# Altium PCB AI Gateway - Carrier.PcbDoc (part 1 of 3) (continued)
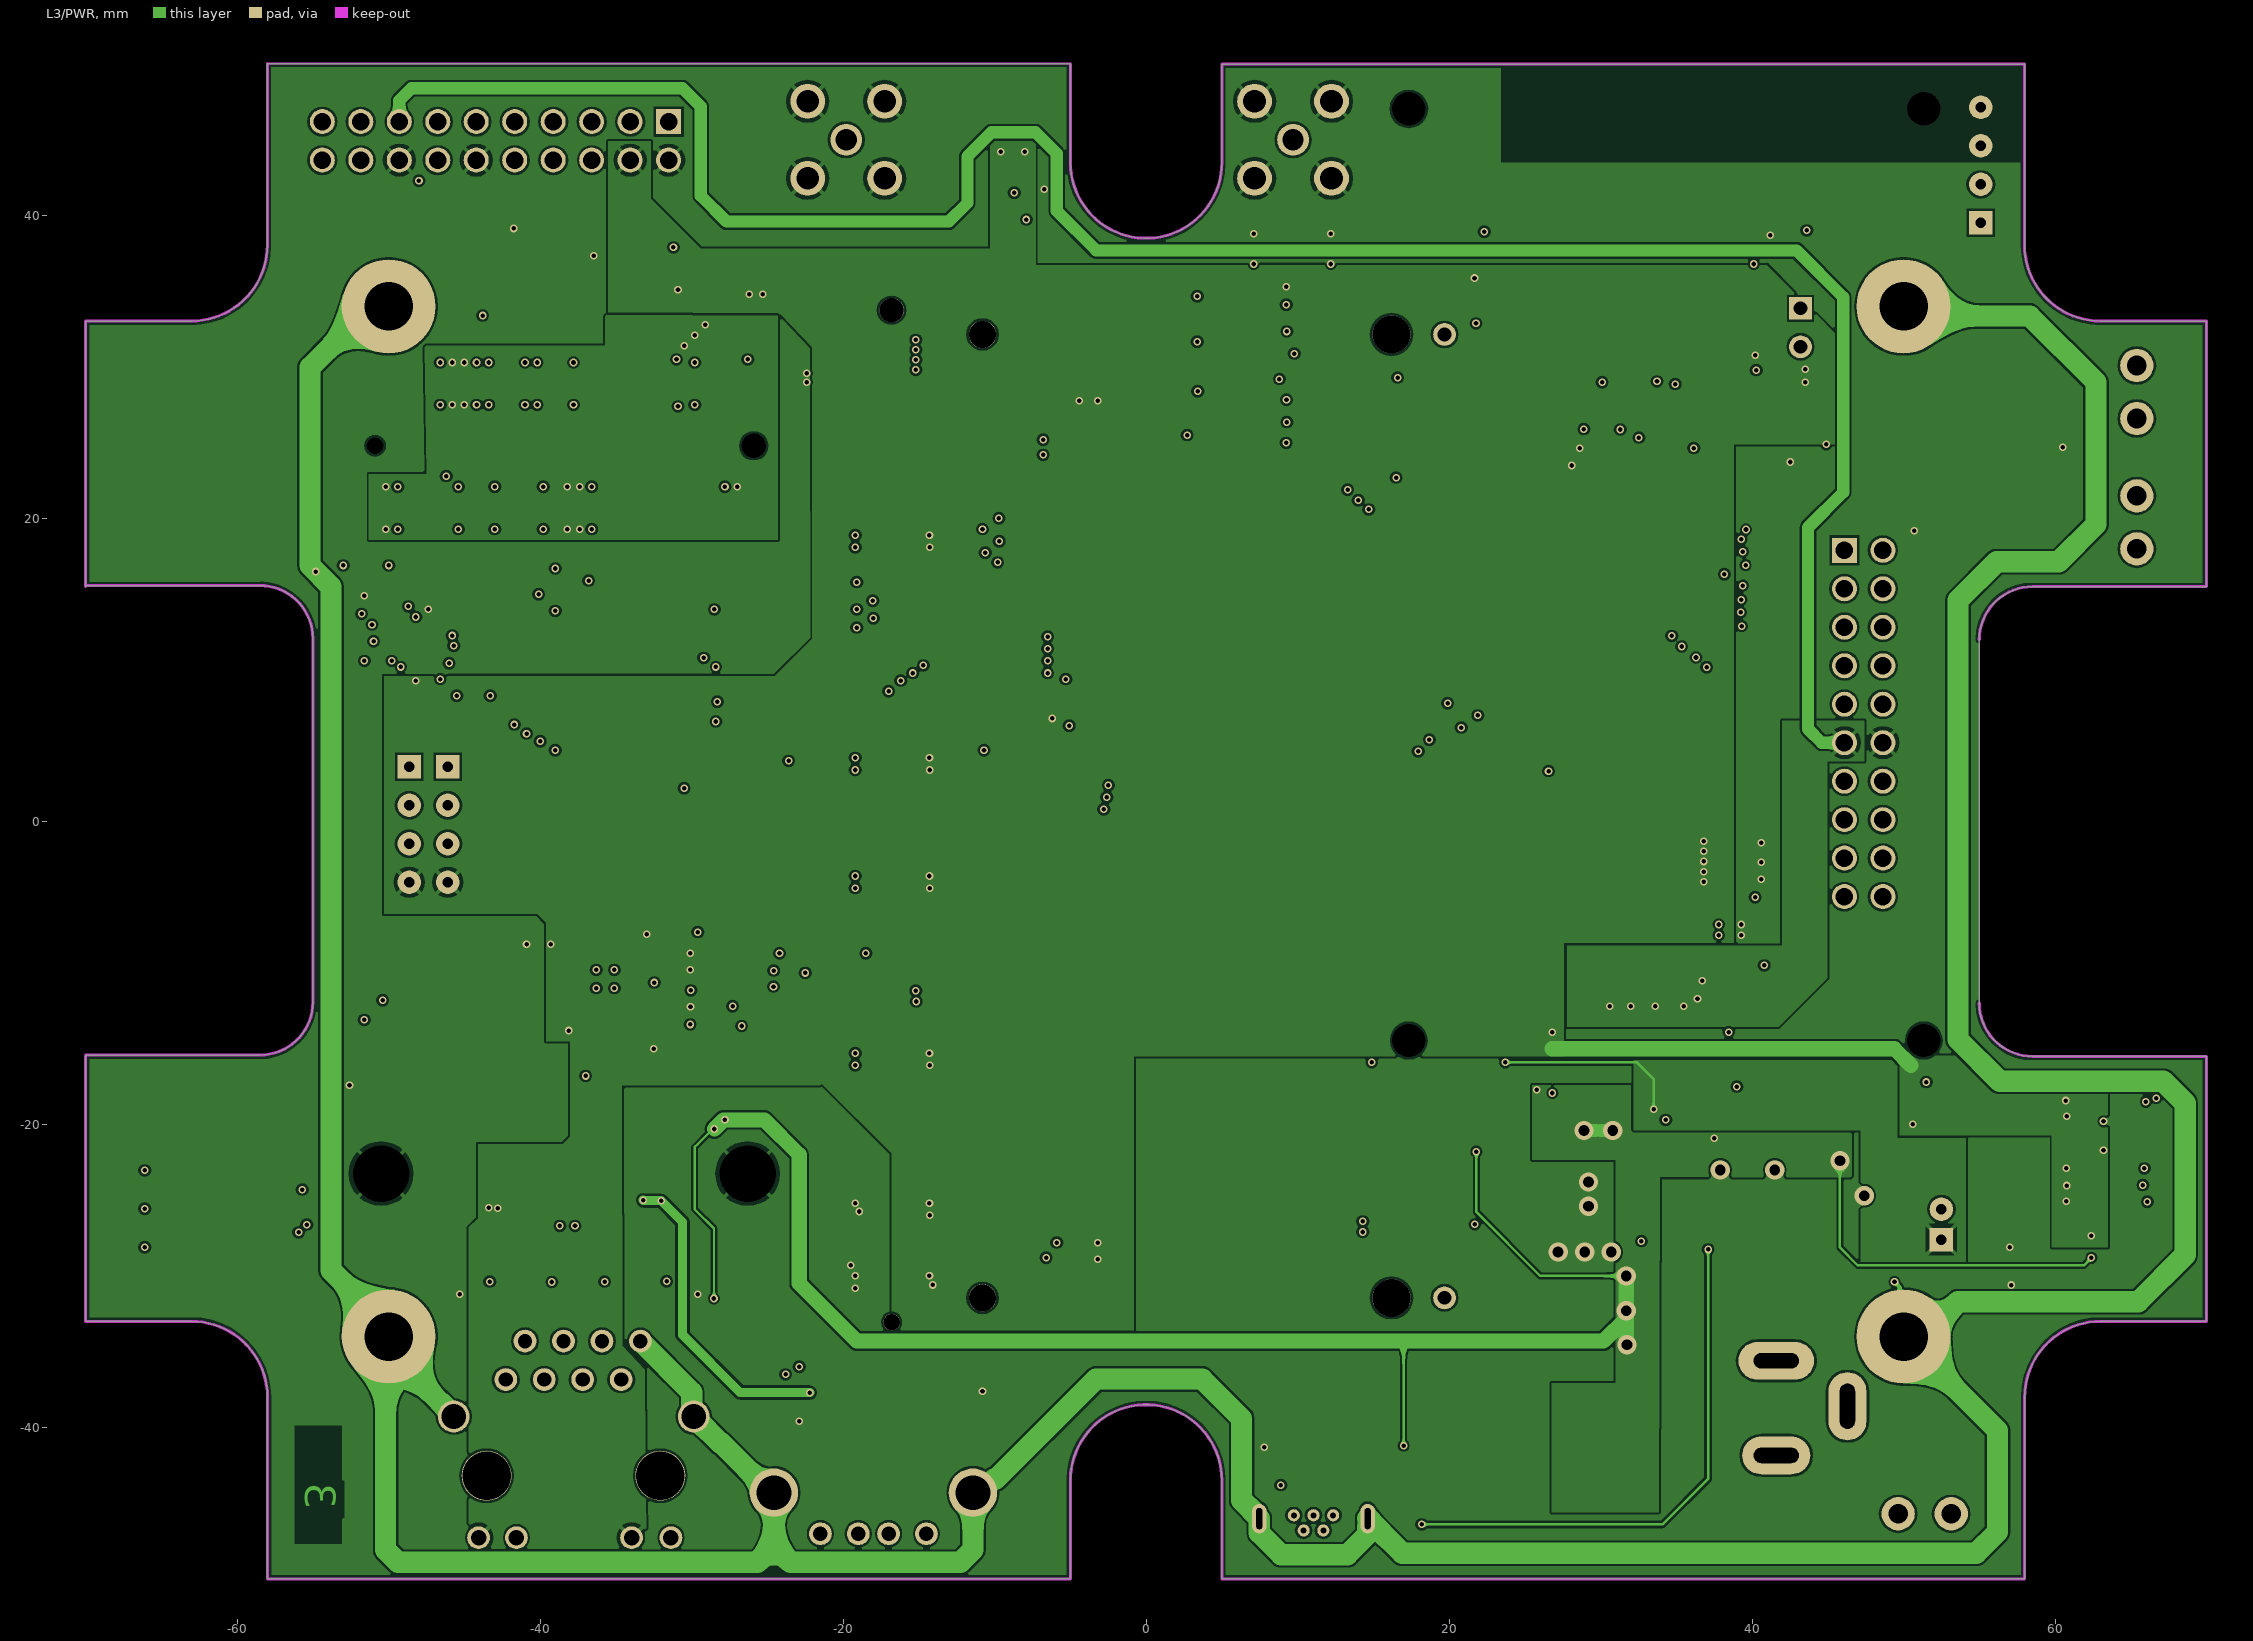
[diagram p3: L3/PWR]

## Layer stack, top to bottom
Top Solder: solder mask 0.025, Solder Resist, Dk 3.5
L1: signal copper 0.035
Dielectric 1-2: prepreg 0.14, FR4, Dk 4.2
L2/GND: plane copper 0.035, net GND
CORE: dielectric 1.13, FR-4, Dk 4.2
L3/PWR: signal copper 0.035
Dielectric 3-4: prepreg 0.14, FR4, Dk 4.2
L4: signal copper 0.035
Bottom Solder: solder mask 0.025, Solder Resist, Dk 3.5

## Board outline
-70,-33 -63,-33 cw(c-63,-38) -58,-38 -58,-50 -5,-50 -5,-43.5 cw(c0,-43.5) 5,-43.5 5,-50 58,-50 58,-38 cw(c63,-38) 63,-33 70,-33 70,-15.5 58.5,-15.5 cw(c58.5,-12) 55,-12 55,12 cw(c58.5,12) 58.5,15.5 70,15.5 69.987,15.513 69.987,33.036 62.987,33.036 cw(c62.987,38.036) 57.987,38.036 57.987,50.036 58,50 5,50 5,43.5 cw(c0,43.5) -5,43.5 -5,50 -5.036,50.036 -58.013,50.036 -58.013,38.036 cw(c-63.013,38.036) -63.013,33.036 -70.013,33.036 -70,33.023 -70,15.5 -70.004,15.577 -58.504,15.577 cw(c-58.504,12.077) -55.004,12.077 -55.004,-11.923 cw(c-58.504,-11.923) -58.504,-15.423 -70.004,-15.423 -70,-15.5

## Design rules (kind name [scope] priority, off if disabled: settings)
Clearance [All] p1: gap=0.16 ignorepadtopadclearanceinfootprint=FALSE
ComponentClearance "SOM Clearance" [InComponent('X1')] p1: gap=0 collisioncheckmode=3 verticalgap=0 showdistances=FALSE
ComponentClearance "SIM Clearance" [InComponent('U12') vs InComponent('U9')] p2: gap=0 collisioncheckmode=3 verticalgap=0 showdistances=FALSE
ComponentClearance [All] p3: gap=0.254 collisioncheckmode=3 verticalgap=0.254 showdistances=FALSE
DiffPairsRouting [InDifferentialPairClass('All Differential Pairs')] p1: maxlimit=0.259 minlimit=0.127 mostfreqgap=0.259 toplayer_maxgap=0.254 toplayer_prefgap=0.253 toplayer_minwidth=0.206 toplayer_maxwidth=0.978 toplayer_prefwidth=0.264 bottomlayer_minwidth=0.164 bottomlayer_maxwidth=1.132 bottomlayer_prefwidth=1.132 impedanceprofiledriven=TRUE impedanceprofileid={7FEF1A3C-4AF9-40D3-8EF3-8B8C5C6ABD55} impedanceprofilevalue=90.000000 maxuncoupledlength=12.7
HoleSize [All] p1: absolutevalues=TRUE maxlimit=6 minlimit=0.3 maxpercent=80.000 minpercent=20.000
MatchedLengths MatchedLengths_InPairs [InDifferentialPairClass('All Differential Pairs')] p1: tolerance=25.4 checknetsindiffpair=TRUE checkdiffpairvsdiffpair=FALSE checkxsignals=FALSE checkothers=FALSE usedelayunits=TRUE delaytolerance=100.000000
MinimumSolderMaskSliver [All] p1 off: minsoldermaskwidth=0.1
PlaneClearance [All] p1: clearance=0.4
PlaneConnect [All] p1: pad.planeconnectstyle=Relief pad.reliefexpansion=0.508 pad.reliefentries=4 pad.reliefconductorwidth=0.254 pad.reliefairgap=0.254 via.planeconnectstyle=Direct via.reliefexpansion=0.508 via.reliefentries=4 via.reliefconductorwidth=0.254 via.reliefairgap=0.254
PolygonConnect [All] p1: thpad.connectstyle=Relief thpad.reliefconductorwidth=0.254 thpad.reliefentries=4 thpad.polygonreliefangle="45 Angle" thpad.airgapwidth=0.254 smdpad.connectstyle=Direct smdpad.reliefconductorwidth=0.254 smdpad.reliefentries=4 smdpad.polygonreliefangle="45 Angle" smdpad.airgapwidth=0.254 via.connectstyle=Direct via.reliefconductorwidth=0.254 via.reliefentries=4 via.polygonreliefangle="45 Angle" via.airgapwidth=0.254
RoomDefinition U_13-EXTENSION [InComponentClass('U_13-EXTENSION')] p1 off: confinementstyle=ConfineIn formatcopy=TRUE lockcomponents=FALSE outline -76.6,105.4 -65.4,105.4 -65.4,135.4 -76.6,135.4
RoomDefinition U_10-MODEM [InComponentClass('U_10-MODEM')] p2 off: confinementstyle=ConfineIn formatcopy=TRUE lockcomponents=FALSE outline -78.9,63.15 41.6,63.15 41.6,137.45 -78.9,137.45
RoomDefinition U_08-THREAD [InComponentClass('U_08-THREAD')] p3 off: confinementstyle=ConfineIn formatcopy=TRUE lockcomponents=FALSE outline -80.4,63.35 33.1,63.35 33.1,137.05 -80.4,137.05
RoomDefinition U_09-WIFI [InComponentClass('U_09-WIFI')] p4 off: confinementstyle=ConfineIn formatcopy=TRUE lockcomponents=FALSE outline -79.99,63.15 52.1,63.15 52.1,137.05 -79.99,137.05
RoomDefinition U_07-USB [InComponentClass('U_07-USB')] p5 off: confinementstyle=ConfineIn formatcopy=TRUE lockcomponents=FALSE outline -79.8,63.15 62.3,63.15 62.3,138.25 -79.8,138.25
RoomDefinition U_06-ETHERNET [InComponentClass('U_06-ETHERNET')] p6 off: confinementstyle=ConfineIn formatcopy=TRUE lockcomponents=FALSE outline -79,63.15 71.6,63.15 71.6,137.85 -79,137.85
RoomDefinition "U_05-SD CARD" [InComponentClass('U_05-SD CARD')] p7 off: confinementstyle=ConfineIn formatcopy=TRUE lockcomponents=FALSE outline -79.9,63.15 82.2,63.15 82.2,137.45 -79.9,137.45
RoomDefinition U_03-SERIAL [InComponentClass('U_03-SERIAL')] p8 off: confinementstyle=ConfineIn formatcopy=TRUE lockcomponents=FALSE outline -79.3,63.15 92,63.15 92,137.95 -79.3,137.95
RoomDefinition "U_02-POWER SUPPLY" [InComponentClass('U_02-POWER SUPPLY')] p9 off: confinementstyle=ConfineIn formatcopy=TRUE lockcomponents=FALSE outline -78.9,63.63 101,63.63 101,138.25 -78.9,138.25
RoomDefinition U_01-SOM [InComponentClass('U_01-SOM')] p10 off: confinementstyle=ConfineIn formatcopy=TRUE lockcomponents=FALSE outline -78.5,63.15 109.4,63.15 109.4,138.65 -78.5,138.65
RoomDefinition U_12-RS485 [InComponentClass('U_12-RS485')] p11 off: confinementstyle=ConfineIn formatcopy=TRUE lockcomponents=FALSE outline -79.725,63.15 23.625,63.15 23.625,137.474 -79.725,137.474
RoomDefinition U_11-ANALOG [InComponentClass('U_11-ANALOG')] p12 off: confinementstyle=ConfineIn formatcopy=TRUE lockcomponents=FALSE outline -79.975,63.15 14.2,63.15 14.2,137.424 -79.975,137.424
RoutingVias [All] p1: holewidth=0.6 width=0.8 viastyle="Through Hole" minholewidth=0.3 minwidth=0.5 maxholewidth=0.8 maxwidth=1
SilkToSilkClearance [All] p1: silktosilkclearance=0
SilkToSolderMaskClearance [IsPad] p1: minsilkscreentomaskgap=0 clearancetoexposedcopper=TRUE
SolderMaskExpansion SolderMaskExpansion_via [IsVia] p1: expansion=-10 istentingtop=FALSE
SolderMaskExpansion [All] p2: expansion=0.102 istentingtop=FALSE
Width Width_50_se [InNet('RF_3G') OR InNet('RF_WIFI')] p1: maxlimit=2.416 minlimit=0.222 preferedwidth=2.416 toplayer_maxwidth=2.407 toplayer_prefwidth=0.257 impedanceprofiledriven=TRUE impedanceprofileid={5421C986-12AF-48B8-8DFE-96982BDBD85F} impedanceprofilevalue=50.000000 minimp=50.000000 maximp=50.000000 favimp=50.000000
Width [All] p2: maxlimit=2 minlimit=0.16 preferedwidth=0.8
22 further rules are at their usual default settings.

## Classes and differential pairs
net class USB: ETH_RXI_N ETH_RXI_P ETH_TX0_N ETH_TX0_P USB2_C_N USB2_C_P USBA_N USBA_P USBC_B_N USBC_B_P USBC_N USBC_P USBH1_N USBH1_P USBH2_N USBH2_P USBH_N USBH_P
net class SD[0..6]: SD0 SD1 SD2 SD3 SD4 SD5 SD6
net class RS485[0..3]: RS4850 RS4851 RS4852 RS4853
net class PWM[0..3]: PWM0 PWM1 PWM2 PWM3
net class NCP_GPIO[0..1]: NCP_GPIO0 NCP_GPIO1
net class ETHERNET[0..5]: ETHERNET0 ETHERNET1 ETHERNET2 ETHERNET3 ETHERNET4 ETHERNET5 ETHERNET6
net class ANALOG_IN[0..3]: ANALOG_IN0 ANALOG_IN1 ANALOG_IN2 ANALOG_IN3
component class U_13-EXTENSION: X9
component class U_12-RS485: C56 C58 IC3 IC4 R12 R13 R65 R66 R67 R69 R70 X8 X10
component class U_11-ANALOG: JP7 JP8 JP9 JP10 R71 R72 R73 R74 R75 R76 R77 R78
component class U_10-MODEM: C48 C49 C50 C55 C62 CN4 CN5 CN6 LED8 M1 M2 R62 R63 R64 R79 R80 RA6 T7 T8 U5 U6 U7 U8 U9 U12
component class U_09-WIFI: C36 C37 C45 C46 C47 CN2 CN3 IC5 JP4 L16 OSC2 R14 R17 R18 R19 R58 R59 R60 R61 U4
component class U_08-THREAD: X11
component class U_07-USB: C7 C34 C35 C38 C39 C40 C41 C42 C43 C44 C59 C60 D6 D7 L7 L8 L9 L10 L11 L12 L13 L14 OSC1 Q1 R20 R49 R50 R51 R52 R53 R81 R82 R84 R85 R86 R87 R89 U10 U11 X6 X7
component class U_06-ETHERNET: C28 C29 C30 C31 C32 C33 L5 R41 R42 R43 R44 R45 R46 R47 R48 X5
component class "U_05-SD CARD": C57 C61 R36 R37 R38 R39 R40 R83 RA5 RA17 X4
component class U_03-SERIAL: JP1 JP2 R35 R68 R90 RA1 RA2 RA3
component class "U_02-POWER SUPPLY": C8 C9 C10 C11 C14 C15 C16 C17 C18 C19 C20 C21 C22 C23 C24 C25 C26 C27 CN1 D1 D2 D3 D4 D5 F1 IC7 L1 L2 L3 L4 LED6 LED7 MH1 MH2 MH3 MH4 R21 R22 R23 R24 R25 R26 R27 R28 R29 R30 R31 R32 R33 R34 R54 T4 T5 T6 U1 U2 U3 X2 X3
component class U_01-SOM: C1 C2 C3 C4 C5 C6 JP3 LED1 LED2 LED3 LED4 LED5 R1 R2 R3 R4 R5 R6 R7 R8 R9 R10 R11 R15 R16 R91 R92 R93 R94 RA7 RA12 RA13 RA18 RA20 SW1 T1 T2 T3 X1
differential pair USBH2: +USBH2_P -USBH2_N
differential pair USBH1: +USBH1_P -USBH1_N
differential pair USBH: +USBH_P -USBH_N
differential pair USBC: +USBC_P -USBC_N
differential pair USBC_B: +USBC_B_P -USBC_B_N
differential pair USBA: +USBA_P -USBA_N
differential pair USB2_C: +USB2_C_P -USB2_C_N
differential pair ETH_TX0: +ETH_TX0_P -ETH_TX0_N
differential pair ETH_RXI: +ETH_RXI_P -ETH_RXI_N

## Components (designator, comment, footprint, x,y, rotation, side; value= is the part's Value field where it differs from the comment)
C1 "4.7uF 50V 20% X7R" T_CAPC1206X180N -16.701,18.5 r0 bottom value=4.7uF
C2 "4.7uF 50V 20% X7R" T_CAPC1206X180N -16.701,3.8 r0 bottom value=4.7uF
C3 "4.7uF 50V 20% X7R" T_CAPC1206X180N -16.701,-4 r0 bottom value=4.7uF
C4 "4.7uF 50V 20% X7R" T_CAPC1206X180N -16.701,-15.7 r0 bottom value=4.7uF
C5 "4.7uF 50V 20% X7R" T_CAPC1206X180N -16.701,-25.6 r0 bottom value=4.7uF
C6 "4.7uF 50V 20% X7R" T_CAPC1206X180N -16.701,-30.4 r0 bottom value=4.7uF
C7 "100nF 16V 10% X7R" CAPC1005X60N -29.5,-19.6 r270 top value=100nF
C8 "10uF 50V 20% X5R" CAPC3225X160N 38,-25.903 r270 top value=10uF
C9 "10uF 50V 20% X5R" CAPC3225X160N 41.6,-25.903 r270 top value=10uF
C10 "10uF 50V 20% X5R" CAPC3225X160N 45.2,-25.903 r270 top value=10uF
C11 "100nF 16V 10% X7R" CAPC1005X60N 23.1,-26.6 r0 top value=100nF
C14 "0.22uF 50V 10% X7R" T_CAPC0805X125N 35.5,-26 r270 top value=0.22uF
C15 "47uF 10V 20% X5R" CAPC3225X160N 31.1,-30.7 r0 top value=47uF
C16 "47uF 10V 20% X5R" CAPC3225X160N 31.125,-33.8 r0 top value=47uF
C17 "10uF 10V 20% Tantalum" T_CAPC1206X180N 42.6,-20.9 r0 top value=10uF
C18 "10uF 10V 20% Tantalum" T_CAPC1206X180N 49.3,-26.1 r270 top value=10uF
C19 "27nF 50V 20% X7R" T_CAPC0603X33N 23.8,-24 r0 top value=27nF
C20 "2.2uF 6.3V 20% X5R" T_CAPC0603X33N -6.1,27 r90 top value=2.2uF
C21 "2.2uF 6.3V 20% X5R" T_CAPC0603X33N -1.3,27 r90 top value=2.2uF
C22 "10uF 6.3V 20% X5R" T_CAPC0603X33N 38.4,-10.5 r180 top value=10uF
C23 "10uF 6.3V 20% X5R" T_CAPC0603X33N 38.4,-11.8 r180 top value=10uF
C24 "22uF 6.3V 20% X5R" T_CAPC0603X33N 38.735,-3.899 r180 top value=22uF
C25 "22uF 6.3V 20% X5R" T_CAPC0603X33N 38.735,-2.65 r180 top value=22uF
C26 "22uF 6.3V 20% X5R" T_CAPC0603X33N 38.735,-1.4 r180 top value=22uF
C27 "100nF 16V 10% X7R" CAPC1005X60N 38.4,-13.1 r180 top value=100nF
C28 "100nF 16V 10% X7R" CAPC1005X60N -44.1,-31.2 r180 top value=100nF
C29 "100nF 16V 10% X7R" CAPC1005X60N -30.875,-31.175 r0 top value=100nF
C30 "100nF 16V 10% X7R" CAPC1005X60N -36.8,-25.4 r180 top value=100nF
C31 "100nF 16V 10% X7R" CAPC1005X60N -39.6,-25.4 r0 top value=100nF
C32 "47uF 6.3V 20% X5R" T_CAPC0603X33N -41.4,-23.4 r90 top value=47uF
C33 "47uF 6.3V 20% X5R" T_CAPC0603X33N -40.1,-23.4 r90 top value=47uF
C34 "100nF 16V 10% X7R" CAPC1005X60N 14.8,-39.8 r180 top value=100nF
C35 "100nF 16V 10% X7R" CAPC1005X60N -27.7,-34.7 r0 top value=100nF
C36 "22pF 50V 10% C0G" T_CAPC0603X33N 18.535,29.355 r0 top value=22p
C37 "22pF 50V 10% C0G" T_CAPC0603X33N 18.635,22.755 r0 top value=22p
C38 "47uF 10V 20% X5R" CAPC3225X160N -17.1,-39.3 r90 top value=47uF
C39 "100nF 16V 10% X7R" CAPC1005X60N -40.075,-8.9 r0 top value=100nF
C40 "100nF 16V 10% X7R" CAPC1005X60N -31.4,-7.3 r180 top value=100nF
C41 "1uF 25V 10% X7R" T_CAPC0805X125N -37,-14.75 r90 top value=1uF
C42 "18pF 50V 5% C0G" T_CAPC0603X33N -39,-4.4 r270 top value=18pF
C43 "18pF 50V 5% C0G" T_CAPC0603X33N -33.8,-4.5 r90 top value=18pF
C44 "1uF 25V 10% X7R" T_CAPC0805X125N -39.6,-13.75 r270 top value=1uF
C45 "10uF 6.3V 20% X5R" T_CAPC0603X33N 34.45,24.65 r180 top value=10uF
C46 "100nF 16V 10% X7R" CAPC1005X60N 41.05,30.2 r90 top value=100nF
C47 "27nF 50V 20% X7R" T_CAPC0603X33N 42.25,37.7 r270 top value=27nF
C48 "10uF 6.3V 20% X5R" T_CAPC0603X33N -49.8,18.2 r0 top value=10uF
C49 "10uF 6.3V 20% X5R" T_CAPC0603X33N -44.6,31.5 r0 top value=10uF
C50 "10uF 6.3V 20% X5R" T_CAPC0603X33N -27.4,18.9 r180 top value=10uF
C55 "100nF 16V 10% X7R" CAPC1005X60N -53.3,-27.9 r270 top value=100nF
C56 "100nF 16V 10% X7R" CAPC1005X60N 53.7,29.3 r180 top value=100nF
C57 "100nF 16V 10% X7R" CAPC1005X60N 62.1,-20.8 r270 top value=100nF
C58 "100nF 16V 10% X7R" CAPC1005X60N 44.1,23.25 r0 top value=100nF
C59 "47uF 10V 20% X5R" CAPC3225X160N -13.7,-39.3 r90 top value=47uF
C60 "100nF 16V 10% X7R" CAPC1005X60N -20.3,-41.1 r180 top value=100nF
C61 "100nF 16V 10% X7R" CAPC1005X60N 52,-18.9 r90 top value=100nF
C62 "100nF 16V 10% X7R" CAPC1005X60N -53.4,14.9 r180 top value=100nF
CN1 "B2B-PH-K-S(LF)(SN)" "B2B-PH-K-S(LF)(SN) - duplicate" 52.5,-26.6 r90 top
CN2 "A118077CT-ND" U.FL-R-SMT-1 9.7,38.1 r180 top
CN3 "PCB.RPSMAFRA.HT" 0733910320 9.7,45 r270 top
CN4 "2041262-1" 2041262-1 -38.4,24.8 r180 top locked
CN5 "A118077CT-ND" U.FL-R-SMT-1 -26.7,45 r90 top
CN6 "PCB.SMAFRA.HT" 0733910320 -19.8,45 r270 top
D1 "PMEG4050ETP,115" D_SOD128#1 35,-39.6 r270 top
D2 "SMAJ36CA" T_LITTLEFUSE_SMAJ30CA 41.6,-30.8 r180 top
D3 "PMEG4050ETP,115" D_SOD128#1 35,-45.9 r270 top
D4 "SS5P5-M3/87A" T_DIOM_TO277A 23.8,-32.1 r0 top
D5 "PMEG4050ETP,115" D_SOD128#2 29.8,-16.1 r270 top
D6 "RCLAMP0504S" T_SOT95P285X90-6N 10.8,-42.1 r0 top
D7 "RCLAMP0504S" T_SOT95P285X90-6N -25.5,-39.6 r180 top
F1 "0685T3000-01 3A 63V" RESC3216N 35.1,-32.3 r90 top value=3A
IC3 "ISL83491IBZ-T" SOIC127P600X175-14N 53.5,24.1 r0 top
IC4 "SN74LVC1G04DCKR" SOT65P210X110-5N 44.9,24.9 r0 top
IC5 "SN74LVC1G04" SOT65P210X110-5N 24.435,25.905 r270 top
IC7 "NCP511SN33T1G" SOT95P279X142-5N -3.7,27.9 r90 top
JP1 "61300411121" "HEADER 1X4, 2.54MM PITCH, MALE" -46.1,-0.2 r270 top
JP2 "61300411121" "HEADER 1X4, 2.54MM PITCH, MALE" -48.64,-0.2 r270 top
JP3 "61300411121" "HEADER 1X4, 2.54MM PITCH, MALE" 55.1,43.33 r90 top
JP4 "Header 2" HDR1X2 43.2,33.875 r270 top
JP7 "Jumper NC SMD" NC#1 5.15,34.705 r0 top net-tie
JP8 "Jumper NC SMD" NC#2 5.15,31.673 r0 top net-tie
JP9 "Jumper NC SMD" NC#1 5.15,28.405 r0 top net-tie
JP10 "Jumper NC SMD" NC#2 5.15,25.505 r0 top net-tie
L1 "BLM18KG300TN1D" INDC1608X95N 37.1,-29.9 r270 top value=30R@100MHz
L2 "BLM18KG300TN1D" INDC1608X95N 46,-29.9 r270 top value=30R@100MHz
L3 "15uH 5.2A 20%" T_INDM125125X80N 25.3,-42.5 r270 top value=15uH
L4 "1.5uH 4.2A 30%" L_NR6028 32.5,-7.18 r90 top value=1.5uH
L5 "BLM21PG221SN1D" INDC2012X140N -43.1,-23.6 r270 top value=220R@100MHz
L7 "DLW21SN900SQ2" T_MURATA_DLW21SN900SQ2 8.47,-38.47 r0 top value=90R@100MHz
L8 "BLM21PG221SN1D" INDC2012X140N 15,-43.1 r180 top value=220R@100MHz
L9 "BLM18KG300TN1D" INDC1608X95N 14.8,-41.2 r180 top value=30R@100MHz
L10 "DLW21SN900SQ2" T_MURATA_DLW21SN900SQ2 -27.4,-36.6 r0 top value=90R@100MHz
L11 "BLM21PG221SN1D" INDC2012X140N -10.8,-39.8 r90 top value=220R@100MHz
L12 "BLM18KG300TN1D" INDC1608X95N -27.7,-33.1 r0 top value=30R@100MHz
L13 "BLM21PG221SN1D" INDC2012X140N -20.6,-38.6 r90 top value=220R@100MHz
L14 "DLW21SN900SQ2" T_MURATA_DLW21SN900SQ2 -44.2,16.3 r90 top value=90R@100MHz
L16 "BLM18KG300TN1D" INDC1608X95N 30.525,24.625 r180 top value=30R@100MHz
LED1 "150060RS75000" LEDC1608X80N -32.2,35.1 r270 top
LED2 "150060YS75000" LEDC1608X80N -34.8,35.1 r270 top
LED3 "150060GS75000" LEDC1608X80N -37.4,35.1 r270 top
LED4 "150060BS75000" LEDC1608X80N -40,35.1 r270 top
LED5 "150060RS75000" LEDC1608X80N -9.6,40 r90 top
LED6 "150060GS75000" LEDC1608X80N 59,-30.1 r0 top
LED7 "150060GS75000" LEDC1608X80N 59,-28.1 r0 top
LED8 "150060RS75000" LEDC1608X80N -42.6,35.1 r270 top
MH1 "MECH-MountingHoles" T_MountingHoles#1 39.2,-38.3 r0 top
MH2 "MECH-MountingHoles" T_MountingHoles#2 -56.8,-34.9 r0 top
MH3 "MECH-MountingHoles" T_MountingHoles#3 50,34 r0 top
MH4 "MECH-MountingHoles" T_MountingHoles#3 -50,34 r0 top
OSC1 "CRYSTAL 24.0000MHZ 18PF SMD" XTAL3.2x2.5 -36.4,-4.5 r180 top value="24.0 MHz"
OSC2 "CRYSTAL 32.7680KHZ 12.5PF SMD" OSC_ABRACON_ABS25 18.1,26.1 r180 top value=32.768KHZ
Q1 "RUM001L02T2CL" TRANS_RUM001_ROM -27.1,-10.3 r90 top
R1 "120R 1% 63mW" RESC1005X40N -9.6,42.8 r90 top value=120R
R2 "120R 1% 63mW" RESC1005X40N -33.5,34.6 r270 top value=120R
R3 "120R 1% 63mW" RESC1005X40N -36.1,34.6 r270 top value=120R
R4 "100K 1% 63mW" RESC1005X40N -7.5,43.3 r180 top value=100k
R5 "22R 1% 63mW" RESC1005X40N -23.3,2.6 r0 top value=22
R6 "100K 1% 63mW" RESC1005X40N -35.8,38.4 r90 top value=100k
R7 "100K 1% 63mW" RESC1005X40N -32.2,38.4 r270 top value=100k
R8 "6.8R 1% 63mW" RESC1005X40N -38.7,34.6 r270 top value=6.8R
R9 "6.8R 1% 63mW" RESC1005X40N -41.3,34.6 r270 top value=6.8R
R10 "100K 1% 63mW" RESC1005X40N -40.9,38.4 r90 top value=100k
R11 "100K 1% 63mW" RESC1005X40N -37.3,38.4 r270 top value=100k
R12 "0R" RESC1005X40N 58,23.6 r270 top
R13 "0R" RESC1005X40N 59.2,22 r90 top
R14 "47K 1% 63mW" RESC1005X40N 26.735,23.505 r0 top value=47K
R15 "10K 1% 63mW" RESC1005X40N -4.5,-28.9 r0 top value=10k
R16 "10K 1% 63mW" RESC1005X40N -4.5,-27.8 r0 top value=10k
R17 "10M 1% 63mW" RESC1005X40N 22.735,27.105 r90 top value=10M
R18 "47K 1% 63mW" RESC1005X40N 24.335,28.205 r180 top value=47K
R19 "300K 1% 63mW" RESC1005X40N 22.735,25.005 r90 top value=300K
R20 "10K 1% 63mW" RESC1005X40N -33.9,-15 r180 top value=10k
R21 "120R 1% 63mW" RESC1005X40N 61.9,-30.1 r0 top value=120R
R22 "6.8R 1% 63mW" RESC1005X40N 61.9,-28.1 r0 top value=6.8R
R23 "0R" RESC1005X40N 48,-30.1 r180 top
R24 "0.1R 1% 1/3W" RESC1608N 46.6,-20.9 r180 top value=0.1R
R25 "137K 1% 63mW" RESC1005X40N 34,-24 r0 top value=137k
R26 "28K 1% 63mW" RESC1005X40N 34,-23 r180 top value=28k
R27 "100K 1% 63mW" RESC1005X40N 38.9,-18.8 r270 top value=100k
R28 "12K 1% 63mW" RESC1005X40N 23.5,-22.9 r180 top value=12K
R29 "40.2K 1% 63mW" RESC1005X40N 34,-22 r180 top value=40.2k
R30 "68K 1% 63mW" RESC1005X40N 23.5,-21.8 r180 top value=68K
R31 "28K 1% 63mW" RESC1005X40N 34,-18.2 r0 top value=28k